# KiCad board dsv4.kicad_pcb (continued)
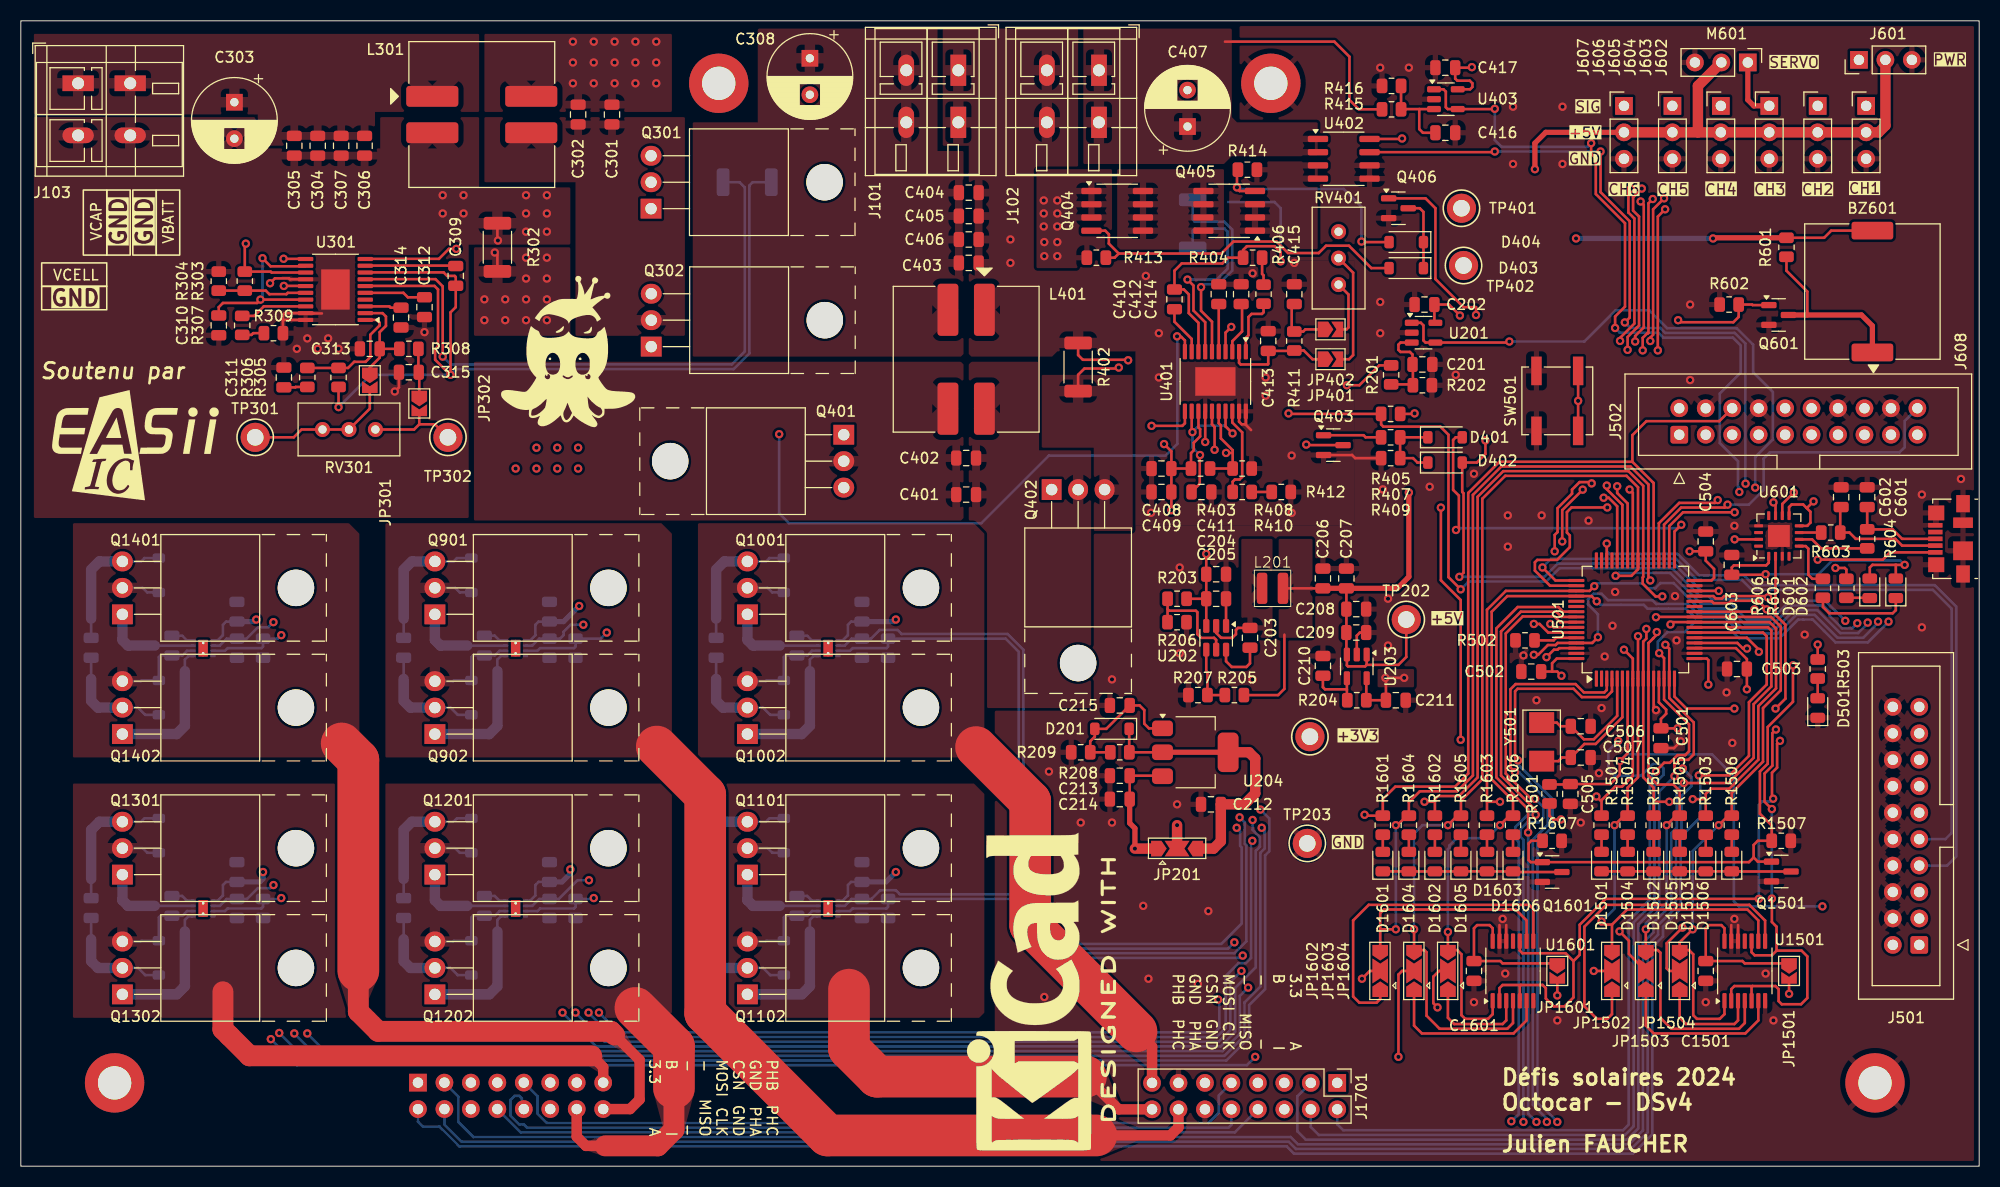
[diagram p0: board, top side]
## Library data of the parts (continued)
R203 R205-R209 = -: ki_fp_filters: R_*
R301 = -: Description: Resistor; Name: R_{SENSE2}; ki_fp_filters: R_*
R302 = -: Description: Resistor; MPN: WSL20101L000FEA; Name: R_{SENSE1}; ki_fp_filters: R_*
R305 R404 R406 = -: Description: Resistor; Name: R_{FBX}; ki_fp_filters: R_*
R401 = -: Datasheet: https://www.mouser.fr/datasheet/2/418/7/NG_DS_1773269_1_A-847534.pdf; Description: Resistor; MPN: TLM2HDR033FTE; Name: R_{SENSE2}; ki_fp_filters: R_*
R402 = -: Description: Resistor; Name: R_{SENSE1}; ki_fp_filters: R_*
RV301 RV401 = -: Description: Potentiometer; ki_fp_filters: Potentiometer*
SW501 = -: Datasheet: https://www.mouser.fr/datasheet/2/307/en-b3sl-1093544.pdf; Mouser SKU: 653-B3SL-1022P
TP201-TP203 = -: ki_fp_filters: Pin* Test*
TP301 TP302 TP401 TP402 = -: Description: test point; ki_fp_filters: Pin* Test*
U201 U403 = -: Datasheet: www.st.com/resource/en/datasheet/tsv911.pdf; Description: Single rail-to-rail input/output 8 MHz operational amplifiers, SOT-23-5; ki_fp_filters: SOT?23*
U202 = -: Datasheet: https://www.ti.com/lit/ds/symlink/lmr51430.pdf; MPN: LMR51430YDDCR; Mouser SKU: 595-LMR51430YDDCR
U203 = -: Datasheet: http://www.st.com/content/ccc/resource/technical/document/datasheet/29/10/f7/87/2f/66/47/f4/DM00076097.pdf/files/DM00076097.pdf/jcr:content/translations/en.DM00076097.pdf; Description: 300mA low dropout linear regulator, low quiescent current very, low noise, shutdown pin, 3.3V fixed positive output, SOT-23-5/SOT-353-5/SC-70-5; ki_fp_filters: SOT?23* SOT?353* *SC?70*
U204 = -: Datasheet: http://www.ti.com/lit/ds/symlink/lm317.pdf; ki_fp_filters: SOT?223*TabPin2*
U301 U401 = -: Datasheet: https://www.analog.com/media/en/technical-documentation/data-sheets/8710f.pdf
U402 = -: Datasheet: https://www.ti.com/lit/ds/symlink/tmcs1101-q1.pdf
U501 = -: Datasheet: https://www.st.com/resource/en/datasheet/stm32l476rg.pdf; Description: STMicroelectronics Arm Cortex-M4 MCU, 1024KB flash, 128KB RAM, 80 MHz, 1.71-3.6V, 51 GPIO, LQFP64; ki_fp_filters: LQFP*10x10mm*P0.5mm*
U601 = -: Datasheet: https://ftdichip.com/wp-content/uploads/2021/10/DS_FT230X.pdf; Description: Full Speed USB to Basic UART, QFN-16; ki_fp_filters: QFN*1EP*4x4mm*P0.65mm*
U901 U1001 U1101 U1201 U1301 U1401 = -: Datasheet: https://www.ti.com/lit/ds/symlink/lm2105.pdf
U1501 U1601 = -: Datasheet: http://www.ti.com/lit/gpn/sn74LS08; Description: Quad And2; MPN: 74LVC08ABQ,115; ki_fp_filters: DIP*W7.62mm*
Y501 = -: Description: Two pin crystal; ki_fp_filters: Crystal*

## Footprints (pads in the part's own frame, mm; a bottom-side part is the same pattern mirrored in y, then rotated)
C_0805_2012Metric
  rrect 1x1.45 smd: 1(-0.95,0) 2(0.95,0)
Coilcraft_MSD1260T
  rrect 2x5 smd: 1(1.75,4.75) 2(-1.75,4.75) 3(-1.75,-4.75) 4(1.75,-4.75)
CP_Radial_D8.0mm_P3.50mm
  rect 1.6x1.6 hole 0.8: 1(0,0)
  round 1.6 hole 0.8: 2(3.5,0)
Crystal_SMD_5032-2Pin_5.0x3.2mm
  rect 2x2.4 smd: 1(-1.85,0) 2(1.85,0)
D_SOD-123
  rrect 0.9x1.2 smd: 1(-1.65,0) 2(1.65,0)
HTSSOP-20-1EP_4.4x6.5mm_P0.65mm_EP2.74x3.86mm
  rrect 2.21x1.56 smd: (0,0.965) (0,-0.965)
  rrect 1.475x0.4 smd: 1(-2.862,2.925) 2(-2.862,2.275) 3(-2.862,1.625) 4(-2.862,0.975) 5(-2.862,0.325) 6(-2.862,-0.325) 7(-2.862,-0.975) 8(-2.862,-1.625) 9(-2.862,-2.275) 10(-2.862,-2.925) 11(2.862,-2.925) 12(2.862,-2.275) 13(2.862,-1.625) 14(2.862,-0.975) 15(2.862,-0.325) 16(2.862,0.325) 17(2.862,0.975) 18(2.862,1.625) 19(2.862,2.275) 20(2.862,2.925)
  rect 2.74x3.86 smd: 21(0,0)
IDC-Header_2x10_P2.54mm_Vertical
  rrect 1.7x1.7 hole 1: 1(0,0)
  round 1.7 hole 1: 2(2.54,0) 3(0,-2.54) 4(2.54,-2.54) 5(0,-5.08) 6(2.54,-5.08) 7(0,-7.62) 8(2.54,-7.62) 9(0,-10.16) 10(2.54,-10.16) 11(0,-12.7) 12(2.54,-12.7) 13(0,-15.24) 14(2.54,-15.24) 15(0,-17.78) 16(2.54,-17.78) 17(0,-20.32) 18(2.54,-20.32) 19(0,-22.86) 20(2.54,-22.86)
LED_0805_2012Metric
  rrect 0.975x1.4 smd: 1(-0.938,0) 2(0.938,0)
LQFP-64_10x10mm_P0.5mm
  rrect 1.55x0.3 smd: 1(-5.675,3.75) 2(-5.675,3.25) 3(-5.675,2.75) 4(-5.675,2.25) 5(-5.675,1.75) 6(-5.675,1.25) 7(-5.675,0.75) 8(-5.675,0.25) 9(-5.675,-0.25) 10(-5.675,-0.75) 11(-5.675,-1.25) 12(-5.675,-1.75) 13(-5.675,-2.25) 14(-5.675,-2.75) 15(-5.675,-3.25) 16(-5.675,-3.75) 33(5.675,-3.75) 34(5.675,-3.25) 35(5.675,-2.75) 36(5.675,-2.25) 37(5.675,-1.75) 38(5.675,-1.25) 39(5.675,-0.75) 40(5.675,-0.25) 41(5.675,0.25) 42(5.675,0.75) 43(5.675,1.25) 44(5.675,1.75) 45(5.675,2.25) 46(5.675,2.75) 47(5.675,3.25) 48(5.675,3.75)
  rrect 0.3x1.55 smd: 17(-3.75,-5.675) 18(-3.25,-5.675) 19(-2.75,-5.675) 20(-2.25,-5.675) 21(-1.75,-5.675) 22(-1.25,-5.675) 23(-0.75,-5.675) 24(-0.25,-5.675) 25(0.25,-5.675) 26(0.75,-5.675) 27(1.25,-5.675) 28(1.75,-5.675) 29(2.25,-5.675) 30(2.75,-5.675) 31(3.25,-5.675) 32(3.75,-5.675) 49(3.75,5.675) 50(3.25,5.675) 51(2.75,5.675) 52(2.25,5.675) 53(1.75,5.675) 54(1.25,5.675) 55(0.75,5.675) 56(0.25,5.675) 57(-0.25,5.675) 58(-0.75,5.675) 59(-1.25,5.675) 60(-1.75,5.675) 61(-2.25,5.675) 62(-2.75,5.675) 63(-3.25,5.675) 64(-3.75,5.675)
MountingHole_3.2mm_M3_ISO7380_Pad
  round 5.7 hole 3.2: 1(0,0)
PinHeader_1x03_P2.54mm_Vertical
  rect 1.7x1.7 hole 1: 1(0,0)
  oval 1.7x1.7 hole 1: 2(0,-2.54) 3(0,-5.08)
PinHeader_2x08_P2.54mm_Vertical
  rect 1.7x1.7 hole 1: 1(0,0)
  oval 1.7x1.7 hole 1: 2(2.54,0) 3(0,-2.54) 4(2.54,-2.54) 5(0,-5.08) 6(2.54,-5.08) 7(0,-7.62) 8(2.54,-7.62) 9(0,-10.16) 10(2.54,-10.16) 11(0,-12.7) 12(2.54,-12.7) 13(0,-15.24) 14(2.54,-15.24) 15(0,-17.78) 16(2.54,-17.78)
PKLCS1212E4001-R1
  rrect 1.7x4 smd: 1(-5.85,0) 2(5.85,0)
Potentiometer_Bourns_3296W_Vertical
  round 1.44 hole 0.8: 1(0,0) 2(-2.54,0) 3(-5.08,0)
QFN-16-1EP_4x4mm_P0.65mm_EP2.1x2.1mm
  rrect 0.85x0.85 smd: (-0.525,0.525) (-0.525,-0.525) (0.525,0.525) (0.525,-0.525)
  rrect 0.85x0.3 smd: 1(-1.95,0.975) 2(-1.95,0.325) 3(-1.95,-0.325) 4(-1.95,-0.975) 9(1.95,-0.975) 10(1.95,-0.325) 11(1.95,0.325) 12(1.95,0.975)
  rrect 0.3x0.85 smd: 5(-0.975,-1.95) 6(-0.325,-1.95) 7(0.325,-1.95) 8(0.975,-1.95) 13(0.975,1.95) 14(0.325,1.95) 15(-0.325,1.95) 16(-0.975,1.95)
  rect 2.1x2.1 smd: 17(0,0)
R_0805_2012Metric
  rrect 1.025x1.4 smd: 1(-0.912,0) 2(0.912,0)
R_2010_5025Metric
  rrect 1.225x2.65 smd: 1(-2.312,0) 2(2.312,0)
SOIC-8_3.9x4.9mm_P1.27mm
  rrect 1.95x0.6 smd: 1(-2.475,1.905) 2(-2.475,0.635) 3(-2.475,-0.635) 4(-2.475,-1.905) 5(2.475,-1.905) 6(2.475,-0.635) 7(2.475,0.635) 8(2.475,1.905)
SolderJumper-2_P1.3mm_Open_TrianglePad1.0x1.5mm
  custom 1.5x1.5 smd: 1(-0.725,0)
  custom 1.15x1.5 smd: 2(0.725,0)
SolderJumper-3_P2.0mm_Open_TrianglePad1.0x1.5mm
  rect 1.5x1.5 smd: (-1.2,0) (1.2,0)
  custom 1.5x1.5 smd: 1(-2,0) 3(2,0)
  custom 2.4x1.5 smd: 2(0,0)
SOT-23
  rrect 1.475x0.6 smd: 1(-0.938,0.95) 2(-0.938,-0.95) 3(0.938,0)
SOT-23-5
  rrect 1.325x0.6 smd: 1(-1.137,0.95) 2(-1.137,0) 3(-1.137,-0.95) 4(1.137,-0.95) 5(1.137,0.95)
SOT-23-6
  rrect 1.325x0.6 smd: 1(-1.137,0.95) 2(-1.137,0) 3(-1.137,-0.95) 4(1.137,-0.95) 5(1.137,0) 6(1.137,0.95)
SOT-223-3_TabPin2
  rrect 2x1.5 smd: 1(-3.15,2.3) 2(-3.15,0) 3(-3.15,-2.3)
  rrect 2x3.8 smd: 2(3.15,0)
SW_SPST_B3SL-1022P
  rect 2.75x1 smd: 1(-2.88,2) 1(2.88,2) 2(-2.88,-2) 2(2.88,-2)
TerminalBlock_WAGO_236-402_1x02_P5.00mm_45Degree
  rect 1.5x3 hole 1.15: 1(0,0) 1(0,-5)
  oval 1.5x3 hole 1.15: 2(5,0) 2(5,-5)
TestPoint_Keystone_5010-5014_Multipurpose
  round 2.8 hole 1.6: 1(0,0)
TO-220-3_Horizontal_TabUp
  oval 3.5x3.5 hole 3.5 unplated: (2.54,-16.66)
  rect 1.905x2 hole 1.1: 1(0,0)
  oval 1.905x2 hole 1.1: 2(2.54,0) 3(5.08,0)
TSSOP-14_4.4x5mm_P0.65mm
  rrect 1.475x0.4 smd: 1(-2.862,1.95) 2(-2.862,1.3) 3(-2.862,0.65) 4(-2.862,0) 5(-2.862,-0.65) 6(-2.862,-1.3) 7(-2.862,-1.95) 8(2.862,-1.95) 9(2.862,-1.3) 10(2.862,-0.65) 11(2.862,0) 12(2.862,0.65) 13(2.862,1.3) 14(2.862,1.95)
USB_Micro-B_Molex_47346-0001
  rect 0.45x1.38 smd: 1(-1.3,1.46) 2(-0.65,1.46) 3(0,1.46) 4(0.65,1.46) 5(1.3,1.46)
  rect 1.65x1.3 smd: 6(-3.375,-1.2) 6(3.375,-1.2)
  rect 1.425x1.55 smd: 6(-2.487,1.375) 6(2.487,1.375)
  rect 1.8x1.9 smd: 6(-1.15,-1.2)
  rect 1x1.9 smd: 6(1.55,-1.2)
VLS3015CX
  rrect 1x3 smd: 1(-1,0) 2(1,0)
WSON-8-1EP_2x2mm_P0.5mm_EP0.9x1.6mm_ThermalVias
  rect 0.75x0.65 smd: (0,-0.4) (0,0.4)
  rrect 0.5x0.25 smd: 1(-0.95,0.75) 2(-0.95,0.25) 3(-0.95,-0.25) 4(-0.95,-0.75) 5(0.95,-0.75) 6(0.95,-0.25) 7(0.95,0.25) 8(0.95,0.75)
  round 0.6 hole 0.25: 9(0,-0.5) 9(0,0.5)
  rect 0.9x1.6 smd far side: 9(0,0)
  rect 0.9x1.6 smd: 9(0,0)

## Nets
+3.3V: C202.1 C211.1 C417.1 C501.1 C502.1 C503.1 C504.1 J501.2 J1701.1 J1801.1 JP1501.2 JP1601.2 R204.1 R405.1 R501.1 TP201.1 U201.5 U203.5 U402.8 U403.5 U501.13 U501.19 U501.32 U501.64
+5V: C206.1 C207.1 C208.1 C209.1 J601.2 J602.2 J603.2 J604.2 J605.2 J606.2 J607.2 L201.2 M601.2 R205.2 TP202.1 U203.1 U203.3
/PSU/5VSW: C203.2 L201.1 U202.2
GNDD: C201.2 C202.2 C204.2 C205.2 C206.2 C207.2 C208.2 C209.2 C210.2 C211.2 C212.2 C213.2 C214.2 C215.2 C303.2 C304.2 C305.2 C306.2 C307.2 C308.2 C310.2 C311.2 C312.2 C313.2 C314.2 C315.2 C403.2 C404.2 C405.2 C406.2 C407.2 C408.2 C409.2 C411.2 C412.2 C413.2 C414.2 C415.2 C416.2 C417.2 C501.2 C502.2 C503.2 C504.2 C505.2 C506.2 C507.2 C601.2 C602.2 C603.2 C902.2 C903.2 C1002.2 C1003.2 C1102.2 C1103.2 C1202.2 C1203.2 C1302.2 C1303.2 C1402.2 C1403.2 C1501.2 C1601.2 D501.1 D902.2 D1002.2 D1102.2 D1202.2 D1302.2 D1402.2 J101.1 J102.2 J103.2 J501.4 J501.6 J501.8 J501.10 J501.12 J501.14 J501.16 J501.18 J501.20 J502.4 J502.8 J502.14 J502.18 J601.3 J602.3 J603.3 J604.3 J605.3 J606.3 J607.3 J608.5 J608.6 J1701.12 J1701.13 J1801.12 J1801.13 L301.2 L401.1 M601.3 P1.1 P2.1 P3.1 P4.1 Q403.2 Q406.2 Q601.2 Q902.2 Q1002.2 Q1102.2 Q1202.2 Q1302.2 Q1402.2 Q1501.2 Q1601.2 R202.2 R206.1 R207.1 R209.2 R302.2 R304.2 R309.2 R402.2 R408.2 R409.2 R412.2 R416.2 R502.1 R602.2 R901.2 R902.2 R1001.2 R1002.2 R1101.2 R1102.2 R1201.2 R1202.2 R1301.2 R1302.2 R1401.2 R1402.2 R1507.2 R1607.2 SW501.1 TP203.1 U201.2 U202.1 U203.2 U301.14 U301.19 U301.20 U301.21 U401.14 U401.19 U401.20 U401.21 U402.5 U402.6 U403.2 U501.12 U501.18 U501.31 U501.47 U501.63 U601.3 U601.13 U601.17 U901.4 U901.9 U1001.4 U1001.9 U1101.4 U1101.9 U1201.4 U1201.9 U1301.4 U1301.9 U1401.4 U1401.9 U1501.7 U1501.12 U1501.13 U1601.7 U1601.12 U1601.13
/CODA.A: J502.19 J1701.2 U501.14
/CODA.B: J502.12 J1701.3 U501.15
/CODA.I: J502.16 J1701.4 U501.61
/CODB.A: J1801.2 U501.22
/CODB.B: J1801.3 U501.23
/CODB.I: J1801.4 U501.62
/CSN_1: J1701.11 U501.3
/CSN_2: J1801.11 U501.4
/MCU/BAT_OK: R405.2 U401.4 U501.29
/MCU/BAT_USE: D402.2 Q406.1 U501.30
/MCU/EN_BIP: Q601.1 R602.1 U501.50
/MCU/MEAS_IBAT: U402.7 U501.21
/MCU/MEAS_VBAT: U403.1 U403.4 U501.20
/MCU/MEAS_VCAP: U201.1 U201.4 U501.26
/MCU/MOT1.AH: J502.1 R901.1 R1501.1 U501.8 U901.2
/MCU/MOT1.AL: JP1502.2 R902.1 U901.3
/MCU/MOT1.BH: J502.5 R1001.1 R1502.1 U501.10 U1001.2
/MCU/MOT1.BL: JP1503.2 R1002.1 U1001.3
/MCU/MOT1.CH: J502.9 R1101.1 R1503.1 U501.24 U1101.2
/MCU/MOT1.CL: JP1504.2 R1102.1 U1101.3
/MCU/MOT1_CMD.AL: J502.3 JP1502.3 R1504.1 U501.9 U1501.9
/MCU/MOT1_CMD.BL: J502.7 JP1503.3 R1505.1 U501.11 U1501.4
/MCU/MOT1_CMD.CL: J502.2 JP1504.3 R1506.1 U501.25 U1501.1
/MCU/MOT1_PWM: J502.20 U501.35 U1501.2 U1501.5 U1501.10
/MCU/MOT2.AH: J502.6 R1201.1 R1601.1 U501.37 U1201.2
/MCU/MOT2.AL: JP1602.2 R1202.1 U1201.3
/MCU/MOT2.BH: J502.11 R1301.1 R1602.1 U501.39 U1301.2
/MCU/MOT2.BL: JP1603.2 R1302.1 U1301.3
/MCU/MOT2.CH: J502.15 R1401.1 R1603.1 U501.51 U1401.2
/MCU/MOT2.CL: JP1604.2 R1402.1 U1401.3
/MCU/MOT2_CMD.AL: J502.10 JP1602.3 R1604.1 U501.38 U1601.9
/MCU/MOT2_CMD.BL: J502.13 JP1603.3 R1605.1 U501.40 U1601.4
/MCU/MOT2_CMD.CL: J502.17 JP1604.3 R1606.1 U501.52 U1601.1
/MCU/MOT2_PWM: U501.36 U1601.2 U1601.5 U1601.10
/MCU/MOT_LED_EN: Q1501.1 Q1601.1 R1507.1 R1607.1 U501.34
/MCU/NRST: C505.1 J501.3 R501.2 SW501.2 U501.7
/MCU/OSC_1: C506.1 U501.5 Y501.1
/MCU/OSC_2: C507.1 U501.6 Y501.2
/MCU/RADIO1: J602.1 U501.41
/MCU/RADIO2: J603.1 U501.42
/MCU/RADIO3: J604.1 M601.1 U501.43
/MCU/RADIO4: J605.1 U501.44
/MCU/RADIO5: J606.1 U501.58
/MCU/RADIO6: J607.1 U501.59
/MCU/SWCLK: J501.9 U501.49
/MCU/SWDIO: J501.7 U501.46
/MCU/USART.RX: U501.17 U601.15
/MCU/USART.TX: U501.16 U601.2
/MCU/USER_LED: R503.1 U501.28
/MCU/~{BAT_CHARGE}: D401.2 U501.33
/MOT A Connection/COD_PWM: J1701.5
/MOT A Connection/COD_U: J1701.7
/MOT A Connection/COD_V: J1701.6
/MOT A Connection/MOT.A: C901.2 D901.2 D902.1 J1701.14 Q901.2 Q902.3 U901.6
/MOT A Connection/MOT.B: C1001.2 D1001.2 D1002.1 J1701.15 Q1001.2 Q1002.3 U1001.6
/MOT A Connection/MOT.C: C1101.2 D1101.2 D1102.1 J1701.16 Q1101.2 Q1102.3 U1101.6
/MOT B Connection/COD_PWM: J1801.5
/MOT B Connection/COD_U: J1801.7
/MOT B Connection/COD_V: J1801.6
/MOT B Connection/MOT.A: C1201.2 D1201.2 D1202.1 J1801.14 Q1201.2 Q1202.3 U1201.6
/MOT B Connection/MOT.B: C1301.2 D1301.2 D1302.1 J1801.15 Q1301.2 Q1302.3 U1301.6
/MOT B Connection/MOT.C: C1401.2 D1401.2 D1402.1 J1801.16 Q1401.2 Q1402.3 U1401.6
/PSU/Battery chagrer/BAT_RET_MID: Q404.5 Q404.6 Q404.7 Q404.8 Q405.5 Q405.6 Q405.7 Q405.8
/PSU/Battery chagrer/BATT_RET_PATH: Q405.1 Q405.2 Q405.3 R414.1 U402.3 U402.4
/PSU/Battery chagrer/SW_IN: C401.2 C402.2 L401.4 Q402.2
/PSU/Battery chagrer/SW_OUT: C401.1 C402.1 L401.3 Q401.2
/PSU/Battery chagrer/SWIN_CSP: Q402.3 R402.1 U401.15
/PSU/Battery chagrer/SWOUT_ISP: Q401.3 R401.1 U401.7
/PSU/Input PSU/SW_IN: C301.2 C302.2 L301.3 Q302.2
/PSU/Input PSU/SW_OUT: C301.1 C302.1 L301.4 Q301.2
/PSU/Input PSU/SWIN_CSP: Q302.3 R302.1 U301.15
/PSU/Input PSU/SWOUT_ISP: Q301.3 R301.1 U301.7
/PSU/Input PSU/V_{CTRL}: C311.1 R306.2
/PSU/V_{CELL}: C303.1 C304.1 C305.1 C306.1 C307.1 J103.1 L301.1 R303.1 U301.13
/Radio and misc/V_{FTDI}: C603.1 D601.2 D602.2 U601.1 U601.8 U601.9
/SPI.CLK: J1701.10 J1801.10 U501.55
/SPI.MISO: J1701.8 J1801.8 U501.56
/SPI.MOSI: J1701.9 J1801.9 U501.57
IN: C407.1 C410.1 J102.1 R401.2 R404.1 R415.1 U401.6 U401.8 U402.1 U402.2
V_{DRIVE}: BZ601.1 C903.1 C1003.1 C1103.1 C1203.1 C1303.1 C1403.1 JP201.2 R601.1 U901.1 U1001.1 U1101.1 U1201.1 U1301.1 U1401.1
VCAP: C204.1 C205.1 C213.1 C214.1 C308.1 C309.1 C403.1 C404.1 C405.1 C406.1 C408.1 C409.1 C902.1 C1002.1 C1102.1 C1202.1 C1302.1 C1402.1 D901.1 D1001.1 D1101.1 D1201.1 D1301.1 D1401.1 J101.2 JP201.1 L401.2 Q404.1 Q404.2 Q404.3 Q901.3 Q1001.3 Q1101.3 Q1201.3 Q1301.3 Q1401.3 R201.1 R203.2 R301.2 R305.1 R403.1 R413.1 U202.3 U204.3 U301.6 U301.8 U401.13
Net-(BZ601--): BZ601.2 Q601.3 R601.2
Net-(D201-A): C215.1 D201.2 R208.2 R209.1 U204.1
Net-(D201-K): C212.1 D201.1 JP201.3 R208.1 U204.2
Net-(D401-K): D401.1 D402.1 R407.1 R409.1
Net-(D403-A): D403.2 Q404.4 R413.2
Net-(D403-K): D403.1 D404.1 Q406.3
Net-(D404-A): D404.2 Q405.4 R414.2
Net-(D501-A): D501.2 R503.2
Net-(D601-K): D601.1 R605.1
Net-(D602-K): D602.1 R606.1
Net-(D1501-A): D1501.2 R1501.2
Net-(D1501-K): D1501.1 D1502.1 D1503.1 D1504.1 D1505.1 D1506.1 Q1501.3
Net-(D1502-A): D1502.2 R1502.2
Net-(D1503-A): D1503.2 R1503.2
Net-(D1504-A): D1504.2 R1504.2
Net-(D1505-A): D1505.2 R1505.2
Net-(D1506-A): D1506.2 R1506.2
Net-(D1601-A): D1601.2 R1601.2
Net-(D1601-K): D1601.1 D1602.1 D1603.1 D1604.1 D1605.1 D1606.1 Q1601.3
Net-(D1602-A): D1602.2 R1602.2
Net-(D1603-A): D1603.2 R1603.2
Net-(D1604-A): D1604.2 R1604.2
Net-(D1605-A): D1605.2 R1605.2
Net-(D1606-A): D1606.2 R1606.2
Net-(J608-D+): C601.1 J608.3 R604.2
Net-(J608-D-): C602.1 J608.2 R603.2
Net-(J608-VBUS): J608.1 U601.10
Net-(JP301-A): C313.1 JP301.1 R308.1 U301.2
Net-(JP301-B): JP301.2 RV301.1 RV301.2 TP301.1
Net-(JP302-A): C315.1 JP302.1 R308.2
Net-(JP302-B): JP302.2 RV301.3 TP302.1
Net-(JP401-A): C413.1 JP401.1 R411.1 U401.2
Net-(JP401-B): JP401.2 RV401.1 RV401.2 TP401.1
Net-(JP402-A): C415.1 JP402.1 R411.2
Net-(JP402-B): JP402.2 RV401.3 TP402.1
Net-(JP1501-A): C1501.1 JP1501.1 U1501.14
Net-(JP1502-A): JP1502.1 U1501.8
Net-(JP1503-A): JP1503.1 U1501.6
Net-(JP1504-A): JP1504.1 U1501.3
Net-(JP1601-A): C1601.1 JP1601.1 U1601.14
Net-(JP1602-A): JP1602.1 U1601.8
Net-(JP1603-A): JP1603.1 U1601.6
Net-(JP1604-A): JP1604.1 U1601.3
Net-(Q301-G): Q301.1 U301.10
Net-(Q302-G): Q302.1 U301.11
Net-(Q401-G): Q401.1 U401.10
Net-(Q402-G): Q402.1 U401.11
Net-(Q403-D): Q403.3 R403.2 R408.1 U401.16
Net-(Q403-G): Q403.1 R407.2
Net-(Q901-G): Q901.1 U901.7
Net-(Q902-G): Q902.1 U901.5
Net-(Q1001-G): Q1001.1 U1001.7
Net-(Q1002-G): Q1002.1 U1001.5
Net-(Q1101-G): Q1101.1 U1101.7
Net-(Q1102-G): Q1102.1 U1101.5
Net-(Q1201-G): Q1201.1 U1201.7
Net-(Q1202-G): Q1202.1 U1201.5
Net-(Q1301-G): Q1301.1 U1301.7
Net-(Q1302-G): Q1302.1 U1301.5
Net-(Q1401-G): Q1401.1 U1401.7
Net-(Q1402-G): Q1402.1 U1401.5
Net-(R307-Pad2): R307.2 R309.1
Net-(R404-Pad2): R404.2 R406.1
Net-(R410-Pad2): R410.2 R412.1
Net-(U201-+): C201.1 R201.2 R202.1 U201.3
Net-(U202-BOOT): C203.1 U202.6
Net-(U202-EN): R203.1 R206.2 U202.5
Net-(U202-FB): R205.1 R207.2 U202.4
Net-(U203-BP): C210.1 R204.2 U203.4
Net-(U301-EN/FBIN): R303.2 R304.1 U301.16
Net-(U301-FBX): R305.2 R306.1 U301.1
Net-(U301-IMON): C312.1 U301.5
Net-(U301-INTV_{CC}): C310.1 U301.12 U301.17
Net-(U301-INTV_{EE}): C309.2 U301.9
Net-(U301-RT): R307.1 U301.18
Net-(U301-SS): C314.1 U301.3
Net-(U401-FBX): R406.2 U401.1
Net-(U401-IMON): C412.1 U401.5
Net-(U401-INTV_{CC}): C411.1 U401.12 U401.17
Net-(U401-INTV_{EE}): C410.2 U401.9
Net-(U401-RT): R410.1 U401.18
Net-(U401-SS): C414.1 U401.3
Net-(U403-+): C416.1 R415.2 R416.1 U403.3
Net-(U501-BOOT0): R502.2 U501.60
Net-(U601-CBUS1): R605.2 U601.11
Net-(U601-CBUS2): R606.2 U601.5
Net-(U601-USBDM): R603.1 U601.7
Net-(U601-USBDP): R604.1 U601.6
Net-(U901-BST): C901.1 U901.8
Net-(U1001-BST): C1001.1 U1001.8
Net-(U1101-BST): C1101.1 U1101.8
Net-(U1201-BST): C1201.1 U1201.8
Net-(U1301-BST): C1301.1 U1301.8
Net-(U1401-BST): C1401.1 U1401.8

Pads without a net: J501 1 5 11 13 15 17 19; J601 1; J608 4; U301 4; U501 1 2 27 45 48 53 54; U601 4 12 14 16; U1501 11; U1601 11

## Via types
v1: diameter 0.8, hole 0.4, Top to Bottom, 358 vias

## Routing (per net, layer and track width the routed paths; a pad name or vN(x,y) marks a point on that pad's centre or on a via; arc(x,y) is an arc through that point)
+3.3V: length 178.5
  Top w0.25: v1(133.8,72.3) 133.75,72.25 R405.1 ; U203.5 129.16,46.83 R204.1 C211.1 131.05,46.85 v1(131,46.9) v1(132.8,46.9) ; 147,47.5 147,48.3 147.45,48.75 U501.64 ; 147,47.5 C502.1 ; 147,47.5 147.5,47.5 v1(147.9,47.1) ; v1(138.15,81.7) 137.1,82.75 C202.1 135.7,81.1 U201.5 ; v1(160.2,59.05) C504.1 161.75,58.15 162.55,57.35 162.55,56.5 162.3,56.25 U501.32 ; v1(159.05,42.05) C501.1 157.45,42.95 157.95,43.45 157.95,43.85 157.25,44.55 U501.13 ; v1(147.85,33.3) 147.1,33.3 146.75,33.65 R501.1 ; v1(165.7,45.8) C503.1 165.7,48.7 164.65,49.75 U501.19 ; U402.8 132.56,98.66 v1(132.6,98.7) ; JP1601.2 v1(147.5,16.4) ; JP1501.2 v1(169.75,16.55) ; v1(139.3,105.55) 139.25,105.5 C417.1 137.7,104.45 137.9,104.25 139.1,104.25 139.35,104 139.35,103.65 139.12,103.42 137.94,103.42
  In2.Cu w0.5: 149.8,4.55 146.68,1.43 116.64,1.43 115.66,2.4 37.95,2.4 35.75,4.6 35.75,7.75 36.03,8.03 J1801.1
+5V: length 139.8
  Top w0.25: R205.2 120.7,45.25 121.3,45.84 121.3,51.05 ; 129.2,48.15 129.05,48 127.4,48 127.3,48.1 U203.3 127.25,49.19 C209.1 C208.1 127.25,55.5 ; 129.2,48.15 U203.1 ; 129.2,48.15 132.25,48.15 133,48.9 TP202.1 ; L201.2 125,55.5
  Top w0.5: J607.2 146.39,99.29 145.35,98.25 v1(145.35,95.75) ; v1(133.25,64.7) 133.25,56.6 132.15,55.5 125,55.5
  Top w1: J601.2 179,99.94 178.35,99.29 J602.2 J603.2 J604.2 J605.2 161,99.29 ; M601.2 161,103.75 161,99.29 ; 161,99.29 J606.2 J607.2
  In2.Cu w0.5: v1(133.25,64.7) 133.25,68.8 131.95,70.1 131.95,76 134.1,78.15 134.1,80.7 137.35,83.95 143.75,83.95 145.35,85.55 v1(145.35,95.75)
/PSU/5VSW: length 4.7
  Top w0.25: U202.2 114.75,51.22 115.23,50.75 116.3,50.75 116.65,51.09 116.65,51.5 116.85,51.69 C203.2
GNDD: length 165.3
  Top w0.25: 117.6,71.2 118.1,70.7 ; 117.6,71.2 117.55,71.25 117.2,71.25 116.95,71.5 U401.19 ; 117.6,71.2 U401.20 ; v1(23.92,84.8) 24.39,85.27 25.75,85.27 25.84,85.17 U301.14 ; v1(159.35,40.8) 158.7,40.15 C501.2 ; 25.16,81.27 25.16,81.74 25.15,81.75 25.33,81.92 U301.19 28.07,81.92 28.1,81.9 28.9,81.9 ; 25.16,81.27 R309.2 ; 25.16,81.27 25.16,81.28 U301.20 ; v1(35.9,74.4) 36.3,74.8 C315.2 ; R402.2 101.5,77.9 101.95,77.45 106.25,77.45 v1(106.3,77.4) ; R409.2 128.1,68 127.8,68.3 Q403.2 ; U1601.13 141.95,23.15 ; C209.2 128.55,51.25 128.25,50.95 U203.2 ; U501.12 156.75,44.02 v1(156.98,43.8) ; v1(45.8,88.9) 45.75,88.95 R302.2 ; U1501.12 164.85,23.15 ; U202.1 C205.2 ; v1(113.7,69.55) U401.14 ; U1501.13 164.2,23.15 ; U1601.12 142.6,23.15
  In2.Cu w0.25: v1(45.8,88.9) 45.7,88.8 43.94,88.8 43.39,89.35 25.01,89.35 23.92,88.26 v1(23.92,84.8) ; v1(106.3,77.4) 106.3,79.4 108.15,81.25 112.95,81.25 113.7,80.5 v1(113.7,69.55)
  Bottom w0.25: C1102.2 66.75,21.79 ; D1402.2 11.94,43.35 11.25,44.04 Q1402.2 ; D1302.2 11.94,18.35 11.25,19.04 Q1302.2 ; Q1002.2 71.25,44.04 71.94,43.35 D1002.2 ; Q902.2 41.25,44.04 41.94,43.35 D902.2 ; C902.2 36.75,46.79 ; C1202.2 36.75,21.79 ; C1002.2 66.75,46.79 ; C1402.2 6.75,46.79 ; D1102.2 71.94,18.35 71.25,19.04 Q1102.2 ; C1302.2 6.75,21.79 ; D1202.2 41.94,18.35 41.25,19.04 Q1202.2
  Bottom w1: Q1302.2 7.4,19.04 6.75,19.69 6.75,21.79 ; 36.75,21.79 36.75,19.69 37.4,19.04 Q1202.2 ; Q1002.2 67.4,44.04 66.75,44.69 66.75,46.79 ; 6.75,46.79 6.75,44.69 7.4,44.04 Q1402.2 ; 66.75,21.79 66.75,19.69 67.4,19.04 Q1102.2 ; Q902.2 37.4,44.04 36.75,44.69 36.75,46.79
  vias: v1(26.5,78.5) v1(27.5,79.5) v1(28.5,78.5) v1(29.5,79.5) v1(30.5,78.5) v1(38.75,80.1) v1(40.5,93.25) v1(40.5,91.5) v1(42.5,93.25) v1(42.5,91.5) v1(47.5,67) v1(48.5,93.25) v1(48.5,91.5) v1(48.5,89.75) v1(49.5,69) v1(49.5,67) v1(50.5,93.25) v1(50.5,91.5) v1(50.5,89.75) v1(51.5,69) v1(51.5,67) v1(53.5,69) v1(53.5,67) v1(95,89) v1(95,86.75) v1(98.25,16.25) v1(98.7,37.9) v1(101.75,33) v1(104.75,46.75) v1(104.75,33) v1(107.75,25) v1(108,85.5) v1(108.25,18) v1(108.5,62.75) v1(109.25,80) v1(109.25,75.75) v1(111,34.75) v1(111.25,57.5) v1(111.25,49.25) v1(113,17.5) v1(114,24.5) v1(118.25,85.75) v1(118.25,46.75) v1(119.5,75.75) v1(119.5,74) v1(122,68.25) v1(122,62.75) v1(122.25,86.75) v1(130.5,105.5) v1(130.5,83) v1(130.5,80) v1(130.75,65) v1(131.25,54.5) v1(131.25,50) v1(133.25,105.5) v1(135.25,65.25) v1(137.75,76) v1(139.5,66.5) v1(139.5,15.75) v1(142.25,23.75) v1(142.5,18.5) v1(142.75,62.5) v1(142.75,59.5) v1(143.25,101.75) v1(143.25,96.25) v1(144.25,49.05) v1(145.5,44.75) v1(146,62.5) v1(147.5,14) v1(148,101.75) v1(148,96.25) v1(149.75,33) v1(150.5,62) v1(151.5,37.75) v1(151.75,44) v1(152.05,48.95) v1(152.8,51.9) v1(153.05,55.15) v1(158.8,54.75) v1(158.95,50.5) v1(160.25,82.75) v1(160.25,75.5) v1(161.75,15.75) v1(163.75,45.5) v1(164.3,40.65) v1(164.5,61.5) v1(164.5,23.75) v1(167.5,18.5) v1(168.25,14) v1(171.25,51.05) v1(182.5,64.5) v1(182.5,51.75) v1(186.25,66)
/CODA.A: length 127.9
  Top w0.25: v1(156.97,37.9) 156.97,37.96 157.76,38.74 158.31,38.74 159.04,39.47 159.78,39.47 160.15,39.85 160.15,42.43 157.75,44.83 U501.14 157.75,48.8 v1(157.28,49.27)
  In2.Cu w0.25: v1(179.3,52.3) 179.3,52.32 176.96,54.66 176.96,65.5 178.28,66.82 178.64,66.82 J502.19
  Bottom w0.25: v1(156.97,37.9) 156.38,37.3 156.38,25.6 154.35,23.57 154.35,3.99 153.81,3.45 126.95,3.45 126.38,4.03 J1701.2 ; v1(157.28,49.27) 157.15,49.4 157.15,50.38 158.08,51.3 159.75,51.3 160.65,52.2 163.45,52.2 164.95,50.7 168.82,50.7 170.62,52.5 172.01,52.5 174.21,50.3 177.31,50.3 179.3,52.29 v1(179.3,52.3)
/CODA.B: length 123.7
  Top w0.25: v1(158.75,37.45) 158.75,38.55 159.22,39.03 160.07,39.03 160.6,39.55 160.6,42.61 158.25,44.96 U501.15 158.25,49.7 v1(157.88,50.07)
  In2.Cu w0.25: J502.12 170.65,71.53 170.65,69.55 169.2,68.1 166.09,68.1 165.48,67.5 164.09,67.5 163.55,66.96 162.76,66.96 157.05,61.25 157.05,57.44 157.68,56.81 157.68,55.84 156.91,55.08 156.78,55.08 156.6,54.89 156.6,54.2 156.85,53.95 157.55,53.95 159.09,52.41 159.09,51.72 158.22,50.86 158.22,50.42 v1(157.88,50.07)
  Bottom w0.25: v1(158.75,37.45) 157.28,35.97 157.28,25.22 155.28,23.22 155.28,3.62 154.2,2.55 123.35,2.55 122.55,3.35 122.55,6.72 J1701.3
/CODA.I: length 154.5
  Top w0.25: v1(151.4,50.8) 150.85,50.25 U501.61 147.54,50.25 147.34,50.05 146.6,50.05 145.66,49.11 v1(145.25,49.11)
  In2.Cu w0.25: v1(177.3,52.21) 177.3,52.24 176.06,53.47 176.06,65.88 178.16,67.98 178.16,71.61 J502.16 ; v1(153.35,40.85) 152.19,40.85 145.25,47.79 v1(145.25,49.11)
  Bottom w0.25: v1(177.3,52.21) 177.3,52.12 176.38,51.2 174.66,51.2 172.46,53.4 170.25,53.4 168.45,51.6 165.33,51.6 163.83,53.1 160.93,53.1 160.04,53.99 157,53.99 156.63,54.36 152.36,54.36 151.75,54.97 150.97,54.97 150.45,54.45 150.45,53.95 151.4,53 v1(151.4,50.8) ; v1(153.35,40.85) 152.4,39.9 152.4,38.1 153,37.5 155.55,37.5 156.67,38.63 157.28,38.63 157.7,38.2 157.7,37.6 156.82,36.72 156.82,25.41 154.82,23.41 154.82,3.82 154,3 124.6,3 123.84,3.76 J1701.4
/CODB.A: length 183
  Top w0.25: U501.22 167.25,51.25 167.6,50.9 167.6,46.26 165.9,44.56 165.9,39.41 164.02,37.53 v1(161.08,37.53)
  Bottom w0.25: v1(161.08,37.53) 161.08,36.88 161.22,36.74 161.22,33.5 159.35,31.63 159.35,24.69 157.65,22.99 157.65,22.06 156.62,21.04 156.62,3.07 154.76,1.2 122.23,1.2 121.53,1.9 42.1,1.9 40.2,3.8 38.6,3.8 38.12,4.28 J1801.2
/CODB.B: length 182.6
  Top w0.25: v1(159.65,36.8) 163.93,36.8 166.35,39.22 166.35,44.37 168.05,46.07 168.05,51.44 167.74,51.75 U501.23
  Bottom w0.25: J1801.3 42,6.69 42,4.25 43.45,2.8 121.9,2.8 122.6,2.1 154.39,2.1 155.72,3.44 155.72,21.45 156.72,22.45 156.72,23.39 158.45,25.11 158.45,32 158.97,32.53 158.97,35.42 158.95,35.45 158.95,36.1 v1(159.65,36.8)
/CODB.I: length 177.4
  Top w0.25: U501.62 147.67,49.75 147.52,49.6 147.18,49.6 v1(146.46,48.89)
  In2.Cu w0.25: v1(146.46,48.89) 146.46,47.21 151.09,42.59 152.64,42.59 156.4,38.83 158.93,38.83 v1(159.55,38.2)
  Bottom w0.25: J1801.4 40.67,4 42.31,2.35 121.71,2.35 122.41,1.65 154.57,1.65 156.18,3.25 156.18,21.22 157.18,22.22 157.18,23.15 158.9,24.88 158.9,31.81 159.43,32.34 159.43,35.55 160.38,36.5 160.38,37.38 v1(159.55,38.2)
/CSN_1: length 92.6
  Top w0.25: v1(143.44,37.84) 143,38.28 143,45.8 143.5,46.3 149.25,46.3 150.05,45.5 152.01,45.5 152.25,45.74 U501.3
  In2.Cu w0.25: J1701.11 115,6.68 115,4.51 117.06,2.45 144.73,2.45 146.5,4.22 v1(146.5,4.25)
  Bottom w0.25: v1(146.5,4.25) 146.5,4.55 145.15,5.9 145.15,31.35 146.6,32.8 146.6,35.07 143.83,37.84 v1(143.44,37.84)
/CSN_2: length 157.5
  Top w0.25: v1(143.72,38.97) 143.45,39.25 143.45,45.61 143.69,45.85 149.06,45.85 149.86,45.05 152.2,45.05 152.75,45.6 U501.4
  In2.Cu w0.25: J1801.11 52.1,6.75 52.1,3.55 52.64,3.01 115.86,3.01 116.88,2 145.28,2 147.5,4.22 v1(147.5,4.25)
  Bottom w0.25: v1(143.72,38.97) 143.72,38.58 147.05,35.26 147.05,32.61 145.6,31.16 145.6,6.09 145.97,5.72 146.06,5.72 147.5,4.28 v1(147.5,4.25)
/MCU/BAT_OK: length 87.2
  Top w0.25: v1(121.7,72.3) 121.75,72.25 R405.2 130.59,71.24 130.8,71.03 136.28,71.03 137.05,70.25 137.05,56.58 v1(138.22,55.4) ; v1(167.72,54.62) 167.6,54.75 163.53,54.75 163.3,54.53 162.7,54.53 162.47,54.75 U501.29 ; v1(116.2,80.6) 115.65,80.05 U401.4
  In2.Cu w0.25: v1(121.7,72.3) 116.65,72.3 116.2,72.75 v1(116.2,80.6)
  Bottom w0.25: v1(138.22,55.4) 138.97,56.15 146.44,56.15 147.71,57.42 158.52,57.42 161.19,54.75 162,54.75 162.3,54.45 167.55,54.45 v1(167.72,54.62)
/MCU/BAT_USE: length 73.8
  Top w0.25: v1(138.1,56.6) 138.5,57 138.5,64.62 138.38,64.75 D402.2 139.78,67.58 140.6,68.4 v1(140.6,69.7) ; v1(163,55.25) U501.30 ; v1(139.7,81.75) 139.7,82.5 138.5,82.5 135.8,85.2 135.8,92 134.85,92.95 Q406.1
  In2.Cu w0.25: v1(140.6,69.7) 139.7,70.6 v1(139.7,81.75)
  Bottom w0.25: v1(138.1,56.6) 146.25,56.6 147.53,57.88 158.7,57.88 161.33,55.25 v1(163,55.25)
/MCU/EN_BIP: length 48.7
  Top w0.25: v1(152.3,63.26) 148.87,63.26 148.43,62.82 148.43,60.85 148.7,60.58 148.7,59.45 147.47,58.22 145.57,58.22 145.35,58 145.35,57.2 146.8,55.75 U501.50 ; v1(159.1,81.25) 159.3,81.05 164.4,81.05 164.91,81.56 R602.1 166.2,82.75 166.25,82.7 Q601.1
  In2.Cu w0.25: v1(159.1,81.25) 159.1,79.1 157.6,77.6 157.6,67.12 153.74,63.26 v1(152.3,63.26)
/MCU/MEAS_IBAT: length 89.4
  Top w0.25: v1(153.98,81.03) 154.45,81.5 154.45,90.75 151.65,93.55 v1(151.65,97.45) ; U501.21 165.7,50.75 166.85,49.6 v1(166.85,49.4) ; v1(141.5,97.45) 141.44,97.38 U402.7
  In2.Cu w0.25: v1(166.85,49.4) 166.85,49.6 165.7,50.75 165.7,65.43 v1(165.57,65.55)
  Bottom w0.25: v1(153.98,81.03) 154.52,80.5 157.39,80.5 157.86,80.03 164.54,80.03 165.55,79.01 165.55,65.58 v1(165.57,65.55) ; v1(141.5,97.45) v1(151.65,97.45)
/MCU/MEAS_VBAT: length 88.7
  Top w0.25: U501.20 164.79,50.25 165.32,49.71 v1(165.71,49.71) ; v1(150.75,98.25) 150.75,97.25 151.2,96.8 151.2,93.36 154,90.56 154,82.55 153.05,81.6 v1(153.05,80.5) ; 135.66,103.42 136.57,103.42 136.8,103.2 136.8,101.7 136.97,101.53 U403.4 141.47,101.53 v1(141.5,101.55)
  In2.Cu w0.25: v1(164.97,64.75) 165.25,64.47 165.25,50.18 v1(165.71,49.71)
  Bottom w0.25: v1(164.97,64.75) 164.97,65.12 164.85,65.25 164.85,67.7 163.1,69.45 163.1,74.2 165.1,76.2 165.1,78.83 164.35,79.58 157.68,79.58 157.2,80.05 153.5,80.05 v1(153.05,80.5) ; v1(141.5,101.55) 141.5,98.55 142.15,97.9 150.4,97.9 v1(150.75,98.25)
/MCU/MEAS_VCAP: length 70.1
  Top w0.25: U201.1 134.4,81 134.65,80.75 134.65,79.3 134.85,79.1 U201.4 142.8,79.1 v1(142.9,79.2) ; v1(166.43,53.47) 166.2,53.25 U501.26
  In2.Cu w0.25: v1(166.5,65.17) 166.3,64.97 166.3,56.29 166.56,56.03 166.56,53.61 v1(166.43,53.47)
  Bottom w0.25: v1(142.9,79.2) 150.1,79.2 153.11,82.21 156.32,82.21 158.05,80.47 164.72,80.47 166.3,78.9 166.3,76.25 168.19,74.36 168.19,69.8 166.5,68.1 v1(166.5,65.17)
/MCU/MOT1.AH: length 218.5
  Top w0.25: v1(151.26,35.51) 151.61,35.15 151.75,35.15 ; v1(153.9,49.6) 154.75,48.75 U501.8 154.75,37.49 153.71,36.45 153.05,36.45 151.75,35.15 ; 151.75,35.15 R1501.1
  In2.Cu w0.25: v1(118.25,33.25) 118.25,33 117,31.75 116.45,31.75 115.75,32.45 115.75,33.91 118.74,36.9 149.47,36.9 150.87,35.51 v1(151.26,35.51) ; J502.1 159.21,67.86 153.9,62.55 v1(153.9,49.6) ; v1(54,52) 51.58,49.58 51.58,30.97 53.58,28.97 53.58,28.16 51.62,26.2 51.6,26.2 51.6,15.15 v1(52,14.75)
  Bottom w0.25: v1(52,14.75) 55.25,11.5 115.17,11.5 116.57,12.9 116.57,17.12 118.55,19.1 118.55,30.29 118.95,30.69 118.95,31.6 118.25,32.3 v1(118.25,33.25) ; U901.2 49.1,50 49.76,50.66 R901.1 51.76,50.66 52.1,51 52.1,51.31 52.79,52 v1(54,52)
